# KiCad board RP2040-Breadstick Panel.kicad_pcb (continued)
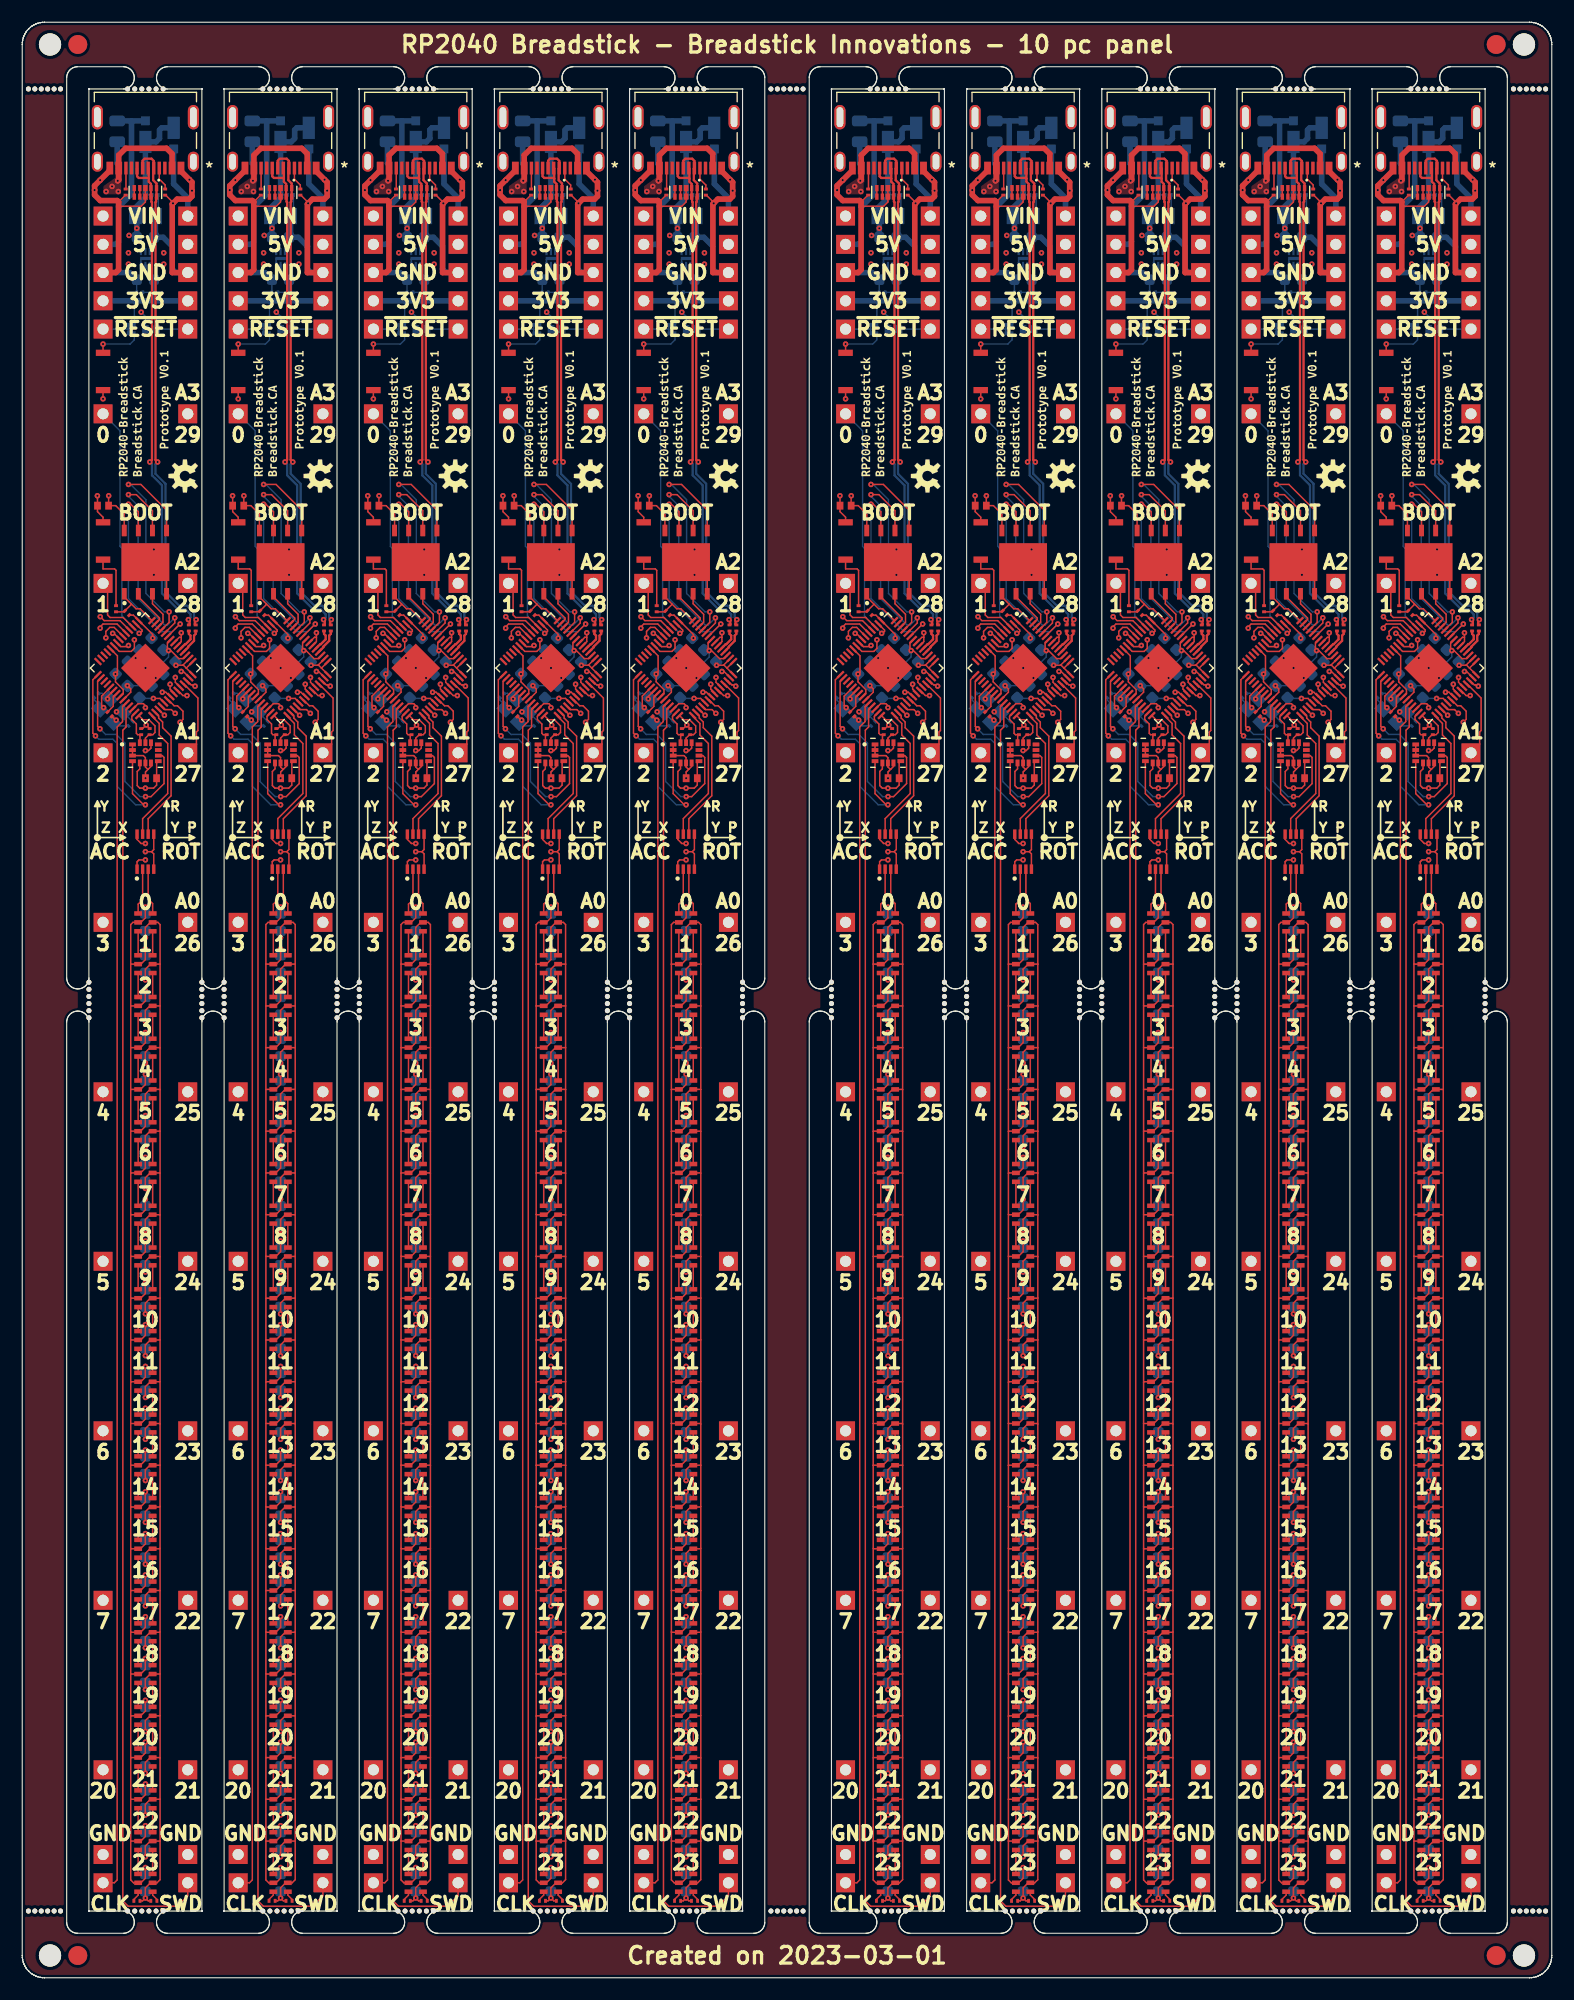
[diagram p0: board, top side]
## Routing (per net, layer and track width the routed paths; a pad name or vN(x,y) marks a point on that pad's centre or on a via; arc(x,y) is an arc through that point) (continued)
  L3_SIG.Cu w0.5: J508#7.1 J507#10.1
  L8_SIG.Cu w0.127: v1(32.71,117.23) 32.72,117.24 C210#6.1 ; v1(36.12,115.03) 34.92,115.03 C206.1 ; 34.38,150.78 34.41,150.76 R208#7.1 ; C211#5.1 38.14,118.28 v1(38.14,118.01) ; R502#9.2 36.16,151.54
  L8_SIG.Cu w0.15: 35.8,153.33 36.17,152.95 C503#5.1
  L8_SIG.Cu w0.203: U501#7.2 35.4,153.47 35.55,153.33 35.8,153.33 U501#7.1
  L8_SIG.Cu w0.5: 36.06,150.78 J507#10.1 ; 36.06,150.78 J508#7.1 ; 36.06,150.78 36.19,150.91 36.19,152.67
Board_2-+1V1: length 10.2
  L1_SIG.Cu w0.127: U201#8.23 34.08,115.59 34.08,115.88 v1(33.78,116.18) ; U201#8.45 38.8,118.61 38.41,118.61 37.69,119.33 v1(37.48,119.33) 37.38,119.44 37.38,120.02 U201#8.50
  L8_SIG.Cu w0.127: v1(37.48,119.33) 37.48,118.76 34.9,116.18 v1(33.78,116.18)
Board_2-/Addressable RGB LEDs/CLK: length 4.1
  L1_SIG.Cu w0.127: IC301#9.2 35.15,96.94 34.75,96.54 LED301#4.4
Board_2-/Addressable RGB LEDs/DATA: length 4.1
  L1_SIG.Cu w0.127: IC301#9.3 35.65,96.99 36.05,96.59 LED301#4.3
Board_2-/RP2040/ADC0: length 26.2
  L1_SIG.Cu w0.127: U201#8.38 38.09,116.48 v1(38.09,116.92)
  L3_SIG.Cu w0.127: J220#5.1 39.21,107.85 38.09,108.97 38.09,111.27 39.68,111.27 40.12,111.71 40.12,115.02 38.22,116.92 v1(38.09,116.92)
Board_2-/RP2040/ADC1: length 7.1
  L1_SIG.Cu w0.127: J219#6.1 39.99,110.92 39.99,112.01 40.12,112.15 40.12,115.07 38.87,116.32 U201#8.39
Board_2-/RP2040/ADC2: length 12.9
  L1_SIG.Cu w0.127: U201#8.40 39.16,116.6 39.51,116.25 39.62,116.25 39.74,116.13 v1(39.87,116.13)
  L3_SIG.Cu w0.127: v1(39.87,116.13) 39.87,118.91 37,121.78 37,124.11 38.27,125.38 J218#4.1
Board_2-/RP2040/ADC3: length 26.9
  L1_SIG.Cu w0.127: U201#8.41 38.82,117.46 v1(38.63,117.46)
  L3_SIG.Cu w0.127: v1(38.63,117.46) 38.98,117.81 38.98,118.62 35.98,121.62 35.98,124.45 37.51,125.98 37.51,128.07 39.21,129.77 J217#3.1
Board_2-/RP2040/D0: length 22.3
  L1_SIG.Cu w0.127: v1(34.84,120.88) 34.92,120.88 35.1,121.06 35.1,121.18 U201#8.2
  L8_SIG.Cu w0.127: v1(34.84,120.88) 33.29,122.43 33.29,128.53 33.11,128.71 33.11,139.1 J205#5.1
Board_2-/RP2040/D1: length 5.7
  L1_SIG.Cu w0.127: J206#7.1 32,124.97 32,122.54 32.22,122.31 33.4,122.31 U201#8.3
Board_2-/RP2040/D2: length 16.5
  L1_SIG.Cu w0.127: U201#8.4 33.11,122.03 31.69,122.03 v1(31.34,122.38)
  L3_SIG.Cu w0.127: v1(31.34,122.38) 30.7,121.74 30.7,113.26 31.03,112.93 31.46,112.93 31.86,112.53 31.86,111.43 31.59,111.16 J207#3.1
Board_2-/RP2040/D3: length 30.6
  L1_SIG.Cu w0.127: v1(31.33,121.35) 31.33,121.46 31.59,121.72 32.85,121.72 U201#8.5
  L3_SIG.Cu w0.127: v1(31.33,121.35) 31.31,121.33 31.31,114.94 31.13,114.76 31.13,114.03 32.72,112.44 32.72,108.93 31.59,107.8 J208#5.1
Board_2-/RP2040/D4: length 44.8
  L1_SIG.Cu w0.127: U201#8.6 32.59,121.42 32.2,121.42 31.84,121.06 v1(31.84,120.48)
  L3_SIG.Cu w0.127: J209#9.1 31.59,92.33 32.72,93.46 32.72,108.2 33.18,108.66 33.18,112.5 33.34,112.66 33.34,114.39 31.84,115.89 v1(31.84,120.48)
Board_2-/RP2040/D5: length 59
  L1_SIG.Cu w0.127: v1(32.45,120.88) 32.56,120.88 U201#8.7
  L3_SIG.Cu w0.127: v1(32.45,120.88) 32.45,117.89 32.2,117.63 32.2,116.98 33.71,115.47 33.71,112.25 33.64,112.18 33.64,108.31 33.31,107.98 33.31,92.85 32.73,92.27 32.73,78.22 31.59,77.08 J210#2.1
Board_2-/RP2040/D6: length 73.9
  L1_SIG.Cu w0.127: v1(33.88,119.79) 33.77,119.69 33.19,119.69 U201#8.8
  L3_SIG.Cu w0.127: v1(33.88,119.79) 33.52,119.79 33.24,119.51 33.24,117.72 34.3,116.66 34.3,114.03 34.11,113.84 34.11,112.07 34.05,112.01 34.05,108.08 33.9,107.93 33.9,92.21 33.38,91.69 33.38,63.31 31.59,61.52 J211#10.1
Board_2-/RP2040/D7: length 91.4
  L1_SIG.Cu w0.127: v1(34.41,120.3) 34.41,119.54 34.13,119.26 33.05,119.26 U201#8.9
  L3_SIG.Cu w0.127: v1(34.41,120.3) 34.41,119.33 34.01,118.93 34.01,118.17 35.07,117.11 35.07,114.79 34.73,114.45 34.73,113.42 34.5,113.19 34.5,107.8 34.38,107.68 34.38,91.44 34.14,91.2 34.14,62.09 32.92,60.87 32.92,44.1 31.59,42.77 J212#9.1
Board_2-/RP2040/D20: length 98.8
  L1_SIG.Cu w0.127: v1(37.11,113.52) 37.09,113.52 U201#8.31
  L3_SIG.Cu w0.127: v1(37.11,113.52) 35.59,113.52 34.91,112.84 34.91,61.15 34.17,60.41 34.17,32.49 31.59,29.91 J204#9.1
Board_2-/RP2040/D21: length 99.2
  L1_SIG.Cu w0.127: U201#8.32 37.15,114.03 37.74,114.03 38.07,113.69 v1(38.08,113.69)
  L3_SIG.Cu w0.127: v1(38.08,113.69) 37.88,113.49 37.88,113.17 37.71,113 36.91,113 35.91,112 35.91,61.15 36.66,60.4 36.66,32.39 39.21,29.84 J203#8.1
Board_2-/RP2040/D22: length 84.5
  L1_SIG.Cu w0.127: v1(38.52,112.89) 38.78,113.15 38.78,113.88 38.29,114.37 37.99,114.37 37.45,114.91 U201#8.34
  L3_SIG.Cu w0.127: v1(38.52,112.89) 38.24,112.61 37.17,112.61 36.38,111.82 36.38,107.82 36.46,107.74 36.46,91.48 36.69,91.25 36.69,62.28 37.91,61.06 37.91,44.18 39.15,42.94 39.15,34 J213#6.1
Board_2-/RP2040/D23: length 71.1
  L1_SIG.Cu w0.127: U201#8.35 37.63,115.19 37.23,115.59 v1(36.92,115.59)
  L3_SIG.Cu w0.127: v1(36.92,115.59) 37.24,115.59 39.04,113.79 39.04,112.48 38.8,112.24 37.38,112.24 36.84,111.7 36.84,108.08 36.98,107.94 36.98,92.01 37.43,91.56 37.43,63.31 39.21,61.53 J214#6.1
Board_2-/RP2040/D24: length 56.2
  L1_SIG.Cu w0.127: U201#8.36 37.97,115.52 37.62,115.87 v1(37.62,116.31)
  L3_SIG.Cu w0.127: v1(37.62,116.31) 37.62,115.87 39.41,114.08 39.41,112.19 39.13,111.92 37.58,111.92 37.26,111.6 37.26,108.31 37.52,108.05 37.52,92.71 38.08,92.15 38.08,78.12 39.21,76.99 J215#5.1
Board_2-/RP2040/D25: length 39.4
  L1_SIG.Cu w0.127: v1(39.14,115.29) 38.77,115.29 38.3,115.76 U201#8.37
  L3_SIG.Cu w0.127: v1(39.14,115.29) 39.76,114.67 39.76,111.95 39.44,111.63 37.86,111.63 37.67,111.44 37.67,108.69 38.09,108.27 38.09,93.35 39.21,92.23 J202.1
Board_2-/RP2040/MCU_QSPI_CSN: length 5.4
  L1_SIG.Cu w0.127: 34.12,123.54 34.56,123.09 34.92,123.09 U201#8.56 ; 34.12,123.54 34.12,123.47 R205#7.2 33.47,122.82 R204#5.2 ; 34.12,123.54 33.5,124.16 U203#8.1
Board_2-/RP2040/MCU_QSPI_SCLK: length 20.6
  L1_SIG.Cu w0.127: v1(38.04,122.28) 38.04,121.82 U201#8.52 ; U203#8.6 36.03,131.91 34.59,133.36 v1(33.88,133.36)
  L8_SIG.Cu w0.127: v1(38.04,122.28) 37.38,121.62 37.13,121.62 34.74,124.01 34.74,132.34 33.88,133.2 v1(33.88,133.36)
Board_2-/RP2040/MCU_QSPI_SD0: length 21.5
  L1_SIG.Cu w0.127: 37.3,130.13 37.3,131.96 34.99,134.27 v1(33.88,134.27) ; v1(37.53,122.81) 37.53,121.87 U201#8.53
  L8_SIG.Cu w0.127: v1(33.88,134.27) 34.08,134.27 35.45,132.9 35.45,124.47 37.1,122.81 v1(37.53,122.81)
Board_2-/RP2040/MCU_QSPI_SD1: length 3.6
  L1_SIG.Cu w0.127: U201#8.55 36.67,122.14 36.67,122.26 34.77,124.16 34.77,124.44
Board_2-/RP2040/MCU_QSPI_SD2: length 3.5
  L1_SIG.Cu w0.127: U203#8.3 36.03,123.55 36.98,122.6 36.98,121.89 U201#8.54
Board_2-/RP2040/MCU_QSPI_SD3: length 19.1
  L1_SIG.Cu w0.127: v1(33.88,132.49) 34.08,132.49 34.77,131.81 34.77,130.13 ; v1(38.52,121.72) 38.51,121.72 U201#8.51
  L8_SIG.Cu w0.127: v1(38.52,121.72) 37.84,121.04 36.85,121.04 33.88,124.01 v1(33.88,132.49)
Board_2-/RP2040/MCU_USB_D+: length 2.1
  L1_SIG.Cu w0.2: U201#8.47 38.96,119.91 39.02,119.91
  L1_SIG.Cu w0.203: 39.02,119.91 39.46,120.35 39.46,120.68 39.31,120.83 R203#9.1
Board_2-/RP2040/MCU_USB_D-: length 2.3
  L1_SIG.Cu w0.2: U201#8.46 39.25,119.63 39.25,119.68
  L1_SIG.Cu w0.203: 39.25,119.68 39.78,120.21 39.78,120.68 39.92,120.83 R202#8.1
Board_2-/RP2040/USB_D+: length 45.2
  L1_SIG.Cu w0.203: 35.7,161.77 35.64,161.83 34.8,161.83 34.65,161.98 J221#3.B6 ; 35.7,161.77 35.7,162.67 J221#3.A6 ; 35.7,161.77 35.7,161.49 35.9,161.29 U202#8.2 U202#8.9 35.94,160.11 35.94,159.7 35.99,159.64 35.99,136.48 v1(35.8,136.29) ; R203#9.2 39.38,121.71 39.38,122 v1(39.27,122.12)
  L8_SIG.Cu w0.203: v1(39.27,122.12) 39.46,122.31 39.46,122.6 39,123.05 38.31,123.05 36.89,124.47 36.89,134.19 35.99,135.09 35.99,136.1 v1(35.8,136.29)
Board_2-/RP2040/USB_D-: length 45.9
  L1_SIG.Cu w0.203: v1(39.97,122.12) 39.85,122 39.85,121.71 R202#8.2 ; J221#3.A7 35.15,163.38 35.33,163.56 35.95,163.56 36.15,163.36 J221#3.B7 36.1,162.67 36.1,161.63 36.4,161.33 U202#8.1 U202#8.10 36.36,160.11 36.36,159.7 36.31,159.64 36.31,136.48 v1(36.5,136.29)
  L8_SIG.Cu w0.203: v1(39.97,122.12) 39.78,122.31 39.78,122.73 39.14,123.37 38.45,123.37 37.21,124.61 37.21,134.33 36.31,135.23 36.31,136.1 v1(36.5,136.29)
Board_2-/RP2040/~{RESET}: length 49.9
  L1_SIG.Cu w0.127: U201#8.26 34.75,114.56 35.22,114.56 35.4,114.38 v1(35.4,114.2)
  L3_SIG.Cu w0.127: 34.77,148.24 34.77,121.77 35.45,121.09 35.45,118.52 36.03,117.94 36.03,117.49 35.63,117.09 35.63,114.43 v1(35.4,114.2)
  L3_SIG.Cu w0.5: J201#6.1 J222#6.1
  L8_SIG.Cu w0.127: C207#6.1 J201#6.1 ; 33.86,148.22 33.83,148.24 J222#6.1 ; 33.86,148.22 R211.2 ; 33.86,148.22 R208#7.2
Board_2-GND: length 241.1
  L1_SIG.Cu w0.127: 35.96,101.25 36.15,101.44 IC301#9.5 ; 35.96,101.25 v1(35.4,101.25) ; 35.96,101.25 36.15,101.06 IC301#9.4 ; U202#8.3 U202#8.8 35.4,159.67 35.02,159.29 32.99,159.29 ; 36.72,12.3 36.71,12.29 LED323#8.2 35.85,12.29 35.4,11.84 v1(35.4,10.88) ; 36.72,12.3 36.72,8.82 36.44,8.54 LED324#9.2 35.85,8.54 35.4,8.08 v1(35.4,7.17) ; 36.72,12.3 36.72,16.06 ; v1(35.4,7.17) 35.15,6.91 R304#10.2 ; v1(35.4,7.17) 35.65,6.91 R305#10.2 ; 36.72,38.61 36.72,34.8 ; 36.72,38.61 36.68,38.57 LED316#3.2 35.82,38.57 35.4,38.16 v1(35.4,37.19) ; 36.72,38.61 36.72,42.37 ; 36.72,34.8 36.72,31.1 ; 36.72,34.8 36.71,34.82 LED317#4.2 35.82,34.82 35.4,34.4 v1(35.4,33.43) ; 35.65,108.67 35.6,108.67 35.4,108.87 U401#3.6 35.4,109.71 35.22,109.89 U401#3.3 U401#3.2 U401#3.1 ; 35.65,108.67 35.41,108.42 v1(35.41,107.86) C401#9.2 ; 35.65,108.67 35.9,108.91 U401#3.7 ; 36.72,49.79 36.72,46.08 ; 36.72,49.79 36.72,53.6 ; 36.72,49.79 36.67,49.84 LED313#8.2 35.85,49.84 35.4,49.38 v1(35.4,48.42) ; 36.72,46.08 LED314#4.2 35.81,46.08 35.4,45.67 v1(35.4,44.71) ; 36.72,46.08 36.72,42.37 ; v1(37.88,159.55) 37.88,159.63 37.22,160.28 R207#9.2 ; 36.72,27.34 36.72,23.58 ; 36.72,27.34 36.72,31.1 ; 36.72,27.34 36.69,27.31 LED319#2.2 35.83,27.31 35.4,26.88 v1(35.4,25.91) ; 36.72,23.58 36.7,23.55 LED320#7.2 35.83,23.55 35.4,23.12 v1(35.4,22.15) ; 36.72,23.58 36.72,19.77 ; 37.3,124.44 37.3,127.29 v1(36.16,128.43) ; 36.72,16.06 36.71,16.04 LED322#6.2 35.84,16.04 35.4,15.6 v1(35.4,14.64) ; 36.72,16.06 36.72,19.77 ; v1(36.16,126.14) 36.16,126.52 U203#8.9 ; v1(35.4,89.72) 35.4,90.68 35.86,91.14 LED302#10.2 36.72,91.14 ; v1(35.4,78.49) 35.4,79.46 35.82,79.88 LED305#7.2 36.71,79.88 36.72,79.86 ; v1(35.4,59.7) 35.4,60.66 35.84,61.1 LED310#9.2 36.7,61.1 36.72,61.12 ; 36.72,53.6 36.71,53.59 LED312#5.2 35.85,53.59 35.4,53.14 v1(35.4,52.18) ; 36.72,53.6 36.72,57.36 ; 36.72,87.38 36.72,83.62 ; 36.72,87.38 36.72,91.14 ; 36.72,87.38 36.72,87.39 LED303#2.2 35.81,87.39 35.4,86.98 v1(35.4,86.01) ; 36.72,83.62 36.71,83.63 LED304#4.2 35.81,83.63 35.4,83.22 v1(35.4,82.25) ; 36.72,83.62 36.72,79.86 ; 36.72,91.14 36.72,94.7 36.52,94.9 LED301#4.2 35.85,94.9 35.4,94.44 v1(35.4,93.53) ; 36.72,76.1 36.7,76.12 LED306#8.2 35.82,76.12 35.4,75.7 v1(35.4,74.73) ; 36.72,76.1 36.72,79.86 ; 36.72,76.1 36.72,72.34 ; 36.72,64.83 36.72,61.12 ; 36.72,64.83 36.69,64.86 LED309#9.2 35.84,64.86 35.4,64.42 v1(35.4,63.45) ; 36.72,64.83 36.72,68.59 ; 36.72,61.12 36.72,57.36 ; 36.72,68.59 36.69,68.61 LED308.2 35.83,68.61 35.4,68.18 v1(35.4,67.21) ; 36.72,68.59 36.72,72.34 ; 36.72,19.77 36.69,19.8 LED321#4.2 35.84,19.8 35.4,19.36 v1(35.4,18.4) ; 36.72,31.1 36.69,31.06 LED318#6.2 35.83,31.06 35.4,30.64 v1(35.4,29.67) ; 36.72,42.37 36.68,42.33 LED315#7.2 35.81,42.33 35.4,41.92 v1(35.4,40.95) ; v1(31.64,114.2) 31.46,114.38 31.46,115.24 U201#8.19 ; v1(35.4,70.97) 35.4,71.94 35.83,72.37 LED307#2.2 36.7,72.37 36.72,72.34 ; 36.72,57.36 36.71,57.35 LED311#7.2 35.85,57.35 35.4,56.9 v1(35.4,55.94) ; R206#4.2 33.6,160.28 33,159.68 32.97,159.68 ; v1(31.08,133.25) 31.09,133.25 C216#10.2 31.09,131.82 31.59,131.32 SW201#5.1 ; SW202#2.1 v1(31.59,141.97)
  L1_SIG.Cu w0.5: J221#3.A1/B12 38.6,162.44 v1(39.36,161.68) 39.59,161.45 v1(39.59,160.69) 39.59,160.18 39.34,159.92 38.26,159.92 v1(37.88,159.55) 37.81,159.48 37.81,153.32 J506#4.1 ; J505#3.1 32.73,153.32 32.99,153.57 32.99,159.67 32.86,159.8 31.34,159.8 30.83,160.31 v1(30.83,160.74) 30.83,161.13 v1(31.33,161.63) 32.2,162.5 J221#3.B1/A12
  L3_SIG.Cu w0.5: J505#3.1 J506#4.1
  L8_SIG.Cu w0.127: v1(35.4,82.25) C306#9.2 ; v1(35.4,22.15) C322#3.2 ; v1(35.4,40.95) C317#3.2 ; U501#7.7 35.07,154.59 35,154.52 U501#7.3 ; v1(35.02,149.76) 35.41,149.38 C207#6.2 ; C309#9.2 35.4,71.58 v1(35.4,70.97) ; v1(35.4,86.01) C305#2.2 ; v1(35.4,18.4) C323#5.2 ; C201#7.2 30.81,114.88 31.29,114.41 ; v1(35.4,93.53) 35.4,94.13 ; C501#2.2 36.56,158.66 R501#9.1 ; v1(35.4,10.88) C325#9.2 ; v1(35.4,67.21) C310#9.2 ; v1(35.4,89.72) C304.2 ; v1(35.4,52.18) C314#3.2 ; v1(35.4,78.49) C307#2.2 ; C203#7.2 34.24,112.95 33.41,113.78 Y201#9.2 ; R502#9.1 34.62,152.68 34.62,152.69 ; v1(35.4,74.73) 35.4,75.34 C308#6.2 ; v1(35.4,14.64) C324#3.2 ; v1(35.4,63.45) C311#9.2 ; v1(35.4,44.71) C316#4.2 ; v1(35.4,29.67) C320#8.2 ; v1(35.4,55.94) C313#9.2 ; v1(35.4,33.43) C319#3.2 ; v1(35.4,37.19) C318#7.2 ; v1(35.4,7.17) C326#6.2 ; v1(35.4,59.7) C312#9.2 ; v1(35.4,48.42) C315#7.2 ; v1(35.4,25.91) C321#7.2
  L8_SIG.Cu w0.203: 34.62,152.69 35,153.06 U501#7.3
  L8_SIG.Cu w0.5: 34.62,152.69 34.61,152.69 33.98,153.32 J505#3.1 ; C501#2.2 36.3,156.62 C502#6.2 37,156.5 37.81,155.68 37.81,153.62 38.12,153.32 J506#4.1
  vias: v1(32.8,113.83) v1(34.52,118.66) v1(35.41,117.77) v1(36.33,116.87)
Board_2-IMU_INT1: length 19.6
  L1_SIG.Cu w0.127: v1(35.4,105.47) 35.24,105.47 34.24,106.47 U401#3.4 ; v1(30.91,111.66) 30.67,111.9 30.67,116.71 U201#8.15
  L8_SIG.Cu w0.127: v1(30.91,111.66) 31.21,111.36 32.48,111.36 32.88,110.96 32.88,107.11 34.52,105.47 v1(35.4,105.47)
Board_2-IMU_INT2: length 18.5
  L1_SIG.Cu w0.127: U401#3.9 36.91,109.89 37.08,109.72 37.08,107.37 35.91,106.2 v1(35.41,106.2) ; U201#8.16 31.1,116.57 31.1,112.51 v1(31.31,112.3)
  L8_SIG.Cu w0.127: v1(35.41,106.2) 34.92,106.2 33.56,107.56 33.56,111.01 32.78,111.79 31.82,111.79 v1(31.31,112.3)
Board_2-IMU_SCL: length 3.9
  L1_SIG.Cu w0.127: U201#8.28 35.18,113.12 35.71,113.12 36.26,112.56 36.26,111.97 36.06,111.77 R210#7.1 35.71,111.77 35.4,111.46 U401#3.13
Board_2-IMU_SDA: length 3.4
  L1_SIG.Cu w0.127: U201#8.27 34.18,113.43 34.18,113.14 34.59,112.73 34.59,111.89 34.71,111.77 R209#5.1 34.91,111.66 34.91,111.06 U401#3.14
Board_2-LED_CLK: length 12.2
  L1_SIG.Cu w0.127: IC301#9.7 35.15,104.23 37.41,106.48 37.41,110.98 36.64,111.74 36.64,112.78 35.99,113.44 U201#8.29
Board_2-LED_DATA: length 12.4
  L1_SIG.Cu w0.127: IC301#9.6 35.65,104.22 37.71,106.28 37.71,111.64 36.95,112.4 36.95,112.91 36.59,113.26 36.59,113.45 U201#8.30
Board_2-Net-(C201-Pad1): length 2
  L1_SIG.Cu w0.127: U201#8.20 32,115.2 v1(32,114.99)
  L8_SIG.Cu w0.127: v1(32,114.99) 31.5,115.49 C201#7.1
Board_2-Net-(C203-Pad1): length 2.1
  L1_SIG.Cu w0.127: R201#3.1 32.71,113.08 v1(32.77,113.08)
  L8_SIG.Cu w0.127: C203#7.1 32.77,112.56 Y201#9.3
Board_2-Net-(J221-PadA5): length 2.1
  L1_SIG.Cu w0.127: R207#9.1 37.18,161.19 36.65,161.72 J221#3.A5
Board_2-Net-(J221-PadB5): length 1.9
  L1_SIG.Cu w0.127: J221#3.B5 33.65,160.86 R206#4.1
Board_2-Net-(LED301-Pad1): length 2.2
  L1_SIG.Cu w0.127: LED301#4.1 LED302#10.3
Board_2-Net-(LED301-Pad6): length 2.2
  L1_SIG.Cu w0.127: LED301#4.6 LED302#10.4
Board_2-Net-(LED302-Pad1): length 2.2
  L1_SIG.Cu w0.127: LED302#10.1 LED303#2.3
Board_2-Net-(LED302-Pad6): length 2.2
  L1_SIG.Cu w0.127: LED302#10.6 LED303#2.4
Board_2-Net-(LED303-Pad1): length 2.2
  L1_SIG.Cu w0.127: LED303#2.1 LED304#4.3
Board_2-Net-(LED303-Pad6): length 2.2
  L1_SIG.Cu w0.127: LED303#2.6 LED304#4.4
Board_2-Net-(LED304-Pad1): length 2.2
  L1_SIG.Cu w0.127: LED304#4.1 LED305#7.3
Board_2-Net-(LED304-Pad6): length 2.2
  L1_SIG.Cu w0.127: LED304#4.6 LED305#7.4
Board_2-Net-(LED305-Pad1): length 2.2
  L1_SIG.Cu w0.127: LED305#7.1 LED306#8.3
Board_2-Net-(LED305-Pad6): length 2.2
  L1_SIG.Cu w0.127: LED305#7.6 LED306#8.4
Board_2-Net-(LED306-Pad1): length 2.2
  L1_SIG.Cu w0.127: LED306#8.1 LED307#2.3
Board_2-Net-(LED306-Pad6): length 2.2
  L1_SIG.Cu w0.127: LED306#8.6 LED307#2.4
Board_2-Net-(LED307-Pad1): length 2.2
  L1_SIG.Cu w0.127: LED307#2.1 LED308.3
Board_2-Net-(LED307-Pad6): length 2.2
  L1_SIG.Cu w0.127: LED307#2.6 LED308.4
Board_2-Net-(LED308-Pad1): length 2.2
  L1_SIG.Cu w0.127: LED308.1 LED309#9.3
Board_2-Net-(LED308-Pad6): length 2.2
  L1_SIG.Cu w0.127: LED308.6 LED309#9.4
Board_2-Net-(LED309-Pad1): length 2.2
  L1_SIG.Cu w0.127: LED309#9.1 LED310#9.3
Board_2-Net-(LED309-Pad6): length 2.2
  L1_SIG.Cu w0.127: LED309#9.6 LED310#9.4
Board_2-Net-(LED310-Pad1): length 2.2
  L1_SIG.Cu w0.127: LED310#9.1 LED311#7.3
Board_2-Net-(LED310-Pad6): length 2.2
  L1_SIG.Cu w0.127: LED310#9.6 LED311#7.4
Board_2-Net-(LED311-Pad1): length 2.2
  L1_SIG.Cu w0.127: LED311#7.1 LED312#5.3
Board_2-Net-(LED311-Pad6): length 2.2
  L1_SIG.Cu w0.127: LED311#7.6 LED312#5.4
Board_2-Net-(LED312-Pad1): length 2.2
  L1_SIG.Cu w0.127: LED312#5.1 LED313#8.3
Board_2-Net-(LED312-Pad6): length 2.2
  L1_SIG.Cu w0.127: LED312#5.6 LED313#8.4
Board_2-Net-(LED313-Pad1): length 2.2
  L1_SIG.Cu w0.127: LED313#8.1 LED314#4.3
Board_2-Net-(LED313-Pad6): length 2.2
  L1_SIG.Cu w0.127: LED313#8.6 LED314#4.4
Board_2-Net-(LED314-Pad1): length 2.2
  L1_SIG.Cu w0.127: LED314#4.1 LED315#7.3
Board_2-Net-(LED314-Pad6): length 2.2
  L1_SIG.Cu w0.127: LED314#4.6 LED315#7.4
Board_2-Net-(LED315-Pad1): length 2.2
  L1_SIG.Cu w0.127: LED315#7.1 LED316#3.3
Board_2-Net-(LED315-Pad6): length 2.2
  L1_SIG.Cu w0.127: LED315#7.6 LED316#3.4
Board_2-Net-(LED316-Pad1): length 2.2
  L1_SIG.Cu w0.127: LED316#3.1 LED317#4.3
Board_2-Net-(LED316-Pad6): length 2.2
  L1_SIG.Cu w0.127: LED316#3.6 LED317#4.4
Board_2-Net-(LED317-Pad1): length 2.2
  L1_SIG.Cu w0.127: LED317#4.1 LED318#6.3
Board_2-Net-(LED317-Pad6): length 2.2
  L1_SIG.Cu w0.127: LED317#4.6 LED318#6.4
Board_2-Net-(LED318-Pad1): length 2.2
  L1_SIG.Cu w0.127: LED318#6.1 LED319#2.3
Board_2-Net-(LED318-Pad6): length 2.2
  L1_SIG.Cu w0.127: LED318#6.6 LED319#2.4
Board_2-Net-(LED319-Pad1): length 2.2
  L1_SIG.Cu w0.127: LED319#2.1 LED320#7.3
Board_2-Net-(LED319-Pad6): length 2.2
  L1_SIG.Cu w0.127: LED319#2.6 LED320#7.4
Board_2-Net-(LED320-Pad1): length 2.2
  L1_SIG.Cu w0.127: LED320#7.1 LED321#4.3
Board_2-Net-(LED320-Pad6): length 2.2
  L1_SIG.Cu w0.127: LED320#7.6 LED321#4.4
Board_2-Net-(LED321-Pad1): length 2.2
  L1_SIG.Cu w0.127: LED321#4.1 LED322#6.3
Board_2-Net-(LED321-Pad6): length 2.2
  L1_SIG.Cu w0.127: LED321#4.6 LED322#6.4
Board_2-Net-(LED322-Pad1): length 2.2
  L1_SIG.Cu w0.127: LED322#6.1 LED323#8.3
Board_2-Net-(LED322-Pad6): length 2.2
  L1_SIG.Cu w0.127: LED322#6.6 LED323#8.4
Board_2-Net-(LED323-Pad1): length 2.2
  L1_SIG.Cu w0.127: LED323#8.1 LED324#9.3
Board_2-Net-(LED323-Pad6): length 2.2
  L1_SIG.Cu w0.127: LED323#8.6 LED324#9.4
Board_2-Net-(LED324-Pad1): length 1
  L1_SIG.Cu w0.127: R305#10.1 36.44,7.05 36.05,7.43 LED324#9.1
Board_2-Net-(LED324-Pad6): length 1
  L1_SIG.Cu w0.127: LED324#9.6 34.75,7.43 34.36,7.05 R304#10.1
Board_2-Net-(R201-Pad2): length 2
  L1_SIG.Cu w0.127: U201#8.21 32.5,115.15 32.5,114.32 R201#3.2
Board_2-Net-(R204-Pad1): length 5.2
  L1_SIG.Cu w0.127: R204#5.1 32.76,126.55 32.63,126.68 31.59,126.68 SW201#5.2
Board_2-Net-(R211-Pad1): length 4.3
  L1_SIG.Cu w0.127: SW202#2.2 v1(31.59,146.89)
  L8_SIG.Cu w0.127: R211.1 34.41,147.27 34.03,146.89 v1(31.59,146.89)
Board_2-Net-(U202-Pad4): length 0.8
  L1_SIG.Cu w0.127: U202#8.4 U202#8.7
Board_2-Net-(U202-Pad5): length 0.8
  L1_SIG.Cu w0.127: U202#8.5 U202#8.6
Board_2-SWCLK: length 107.5
  L1_SIG.Cu w0.127: U201#8.24 33.34,114.29 33.34,112.95 32.86,112.46 32.86,8.79 32.61,8.54 J223.1
Board_2-SWD: length 115.3
  L1_SIG.Cu w0.127: J224#8.1 39.21,7.37 38.27,6.43 33.85,6.43 33.37,6.91 33.37,112.17 33.66,112.46 33.66,114.04 U201#8.25
Board_2-VBUS: length 12.5
  L1_SIG.Cu w0.5: J221#3.A4/B9 37.8,164 37.3,164.5 33.62,164.5 33,163.87 J221#3.B4/A9 33,161.66 v1(32.91,161.58)
  L8_SIG.Cu w0.5: v1(32.91,161.58) 32.99,161.65 32.99,163 32.86,163.12 F501#5.1
  vias: v1(31.87,160.61) v1(32.4,161.07) v1(32.96,160.61)
Board_2-VHI: length 174.3
  L1_SIG.Cu w0.127: 34.08,23.53 34.11,23.55 LED320#7.5 34.97,23.55 35.4,23.98 v1(35.4,24.95) ; 34.08,23.53 34.08,27.34 ; 34.08,23.53 34.08,19.77 ; v1(35.4,39.93) 35.4,39.02 34.95,38.57 LED316#3.5 34.12,38.57 34.08,38.61 ; v1(35.4,84.99) 35.4,84.08 34.95,83.63 LED304#4.5 34.09,83.63 34.08,83.62 ; 34.08,79.86 34.09,79.88 LED305#7.5 34.96,79.88 35.4,80.32 v1(35.4,81.23) ; 34.08,79.86 34.08,83.62 ; 34.08,79.86 34.08,76.1 ; 34.08,31.1 34.08,27.34 ; 34.08,31.1 34.11,31.06 LED318#6.5 34.96,31.06 35.4,31.5 v1(35.4,32.47) ; 34.08,31.1 34.08,34.8 ; 34.08,27.34 34.11,27.31 LED319#2.5 34.97,27.31 35.4,27.74 v1(35.4,28.71) ; v1(35.4,43.69) 35.4,42.78 34.95,42.33 LED315#7.5 34.12,42.33 34.08,42.37 ; 34.08,19.77 34.08,16.06 ; 34.08,19.77 34.11,19.8 LED321#4.5 34.98,19.8 35.4,20.22 v1(35.4,21.19) ; 34.08,16.06 34.09,16.04 LED322#6.5 34.98,16.04 35.4,16.46 v1(35.4,17.43) ; 34.08,16.06 34.08,12.3 ; 34.08,38.61 34.08,42.37 ; 34.08,38.61 34.08,34.8 ; 34.08,83.62 34.08,87.38 ; v1(35.4,62.49) 35.4,61.52 34.98,61.1 LED310#9.5 34.11,61.1 34.08,61.07 ; 34.08,91.14 34.08,87.38 ; 34.08,91.14 34.08,94.7 34.28,94.9 LED301#4.5 34.99,94.9 35.4,95.31 v1(35.4,96.27) ; 34.08,91.14 LED302#10.5 34.99,91.14 35.4,91.55 v1(35.4,92.51) ; 34.08,87.38 34.08,87.39 LED303#2.5 34.95,87.39 35.4,87.84 v1(35.4,88.75) ; 34.08,61.07 34.08,57.36 ; 34.08,61.07 34.08,64.88 ; 34.08,57.36 34.08,53.55 ; 34.08,57.36 34.09,57.35 LED311#7.5 34.98,57.35 35.4,57.77 v1(35.4,58.73) ; 34.08,68.64 34.1,68.61 LED308.5 34.97,68.61 35.4,69.04 v1(35.4,70.01) ; 34.08,68.64 34.08,72.34 ; 34.08,68.64 34.08,64.88 ; 34.08,12.3 34.08,8.79 34.34,8.54 LED324#9.5 34.99,8.54 35.4,8.95 v1(35.4,9.91) ; 34.08,12.3 34.09,12.29 LED323#8.5 34.98,12.29 35.4,12.71 v1(35.4,13.67) ; v1(35.4,100.51) 34.82,100.51 34.65,100.35 IC301#9.1 ; 34.08,53.55 34.12,53.59 LED312#5.5 34.99,53.59 35.4,54.01 v1(35.4,54.97) ; 34.08,53.55 34.08,49.84 ; 34.08,42.37 34.08,46.08 ; v1(35.4,66.25) 35.4,65.28 34.97,64.86 LED309#9.5 34.1,64.86 34.08,64.88 ; 34.08,46.08 LED314#4.5 34.94,46.08 35.4,46.54 v1(35.4,47.45) ; 34.08,46.08 34.08,49.84 ; v1(35.4,73.77) 35.4,72.8 34.96,72.37 LED307#2.5 34.1,72.37 34.08,72.34 ; 34.08,72.34 34.08,76.1 ; v1(35.4,77.53) 35.4,76.56 34.96,76.12 LED306#8.5 34.1,76.12 34.08,76.1 ; 34.08,49.84 34.08,49.84 LED313#8.5 34.99,49.84 35.4,50.25 v1(35.4,51.21) ; 34.08,34.8 34.09,34.82 LED317#4.5 34.96,34.82 35.4,35.26 v1(35.4,36.23)
  L8_SIG.Cu w0.127: v1(35.4,28.71) C321#7.1 ; v1(35.4,77.53) 35.4,76.92 C308#6.1 ; v1(35.4,88.75) C305#2.1 ; v1(35.4,54.97) C314#3.1 ; v1(35.4,9.91) C326#6.1 ; v1(35.4,70.01) C310#9.1 ; C309#9.1 35.4,73.16 v1(35.4,73.77) ; v1(35.4,32.47) C320#8.1 ; v1(35.4,62.49) C312#9.1 ; v1(35.4,58.73) C313#9.1 ; v1(35.4,96.27) C303#6.1 ; v1(35.4,84.99) C306#9.1 ; v1(35.4,17.43) C324#3.1 ; v1(35.4,21.19) C323#5.1 ; v1(35.4,51.21) C315#7.1 ; R501#9.2 35.53,160.31 35.4,160.43 ; v1(35.4,13.67) C325#9.1 ; v1(35.4,66.25) C311#9.1 ; v1(35.4,36.23) C319#3.1 ; v1(35.4,47.45) C316#4.1 ; v1(35.4,81.23) C307#2.1 ; v1(35.4,39.93) C318#7.1 ; v1(35.4,92.51) C304.1 ; v1(35.4,24.95) C322#3.1 ; v1(35.4,43.69) C317#3.1
  L8_SIG.Cu w0.5: D501#8.1 36.86,166.34 36.67,166.15 36.67,165.39 36.36,165.07 D502#10.1 35.4,160.05 34.5,159.15 C501#2.1 34.62,158.28 v1(34.62,157.31) 34.62,156.5
  vias: v1(33.93,156.66) v1(33.88,155.1) v1(33.88,154.08) v1(37.05,155.1) v1(37.05,154.08)
Board_2-VIN: length 14.2
  L3_SIG.Cu w0.5: J502#10.1 J501#4.1
  L8_SIG.Cu w0.5: J501#4.1 39.21,160.03 37.94,161.3 D501#8.2
Board_3-3V3_LDO: length 53.3
  L1_SIG.Cu w0.127: U401#4.8 48.57,109.24 C401#4.1 48.57,107.24 48.3,106.97 v1(47.56,106.97) 47.05,106.97 46.82,107.19 46.82,108.46 47.06,108.7 U401#4.5 ; 50.79,120.53 50.61,120.53 U201#2.49 ; 50.79,120.53 50.79,120.14 U201#2.48 ; 50.79,120.53 v1(50.79,120.94) ; U401#4.12 48.06,110.56 47.84,110.34 v1(47.56,110.34) ; R205#8.1 46.48,122.52 U201#2.1 48.22,120.78 v1(48.22,120.45) ; 51.24,117.76 50.98,118.01 50.93,118.01 ; 51.24,117.76 51.24,117.76 U201#2.43 ; 51.24,117.76 U201#2.42 ; U203#2.8 45.66,131.6 44.89,132.37 C216#7.1 44.25,133.25 v1(44.26,133.25) ; U201#2.10 45.05,118.86 45.05,117.4 v1(44.87,117.23) 44.87,116.52 45.57,115.82 45.57,115.49 U201#2.22 ; R210#8.2 47.94,112.33 v1(47.63,112.64) 47.31,112.32 R209#7.2 ; v1(47.56,101.99) 47.18,101.99 46.81,102.36 IC301#6.8 ; v1(48.28,115.03) 48.88,115.03 U201#2.33 ; 50.93,118.01 U201#2.44 ; 50.93,118.01 v1(50.3,118.01)
  L3_SIG.Cu w0.5: J508#4.1 J507.1
  L8_SIG.Cu w0.127: v1(44.87,117.23) 44.88,117.24 C210#2.1 ; v1(48.28,115.03) 47.08,115.03 C206#7.1 ; 46.54,150.78 46.56,150.76 46.56,148.62 ; C211#4.1 50.3,118.28 v1(50.3,118.01) ; R502#8.2 48.32,151.54
  L8_SIG.Cu w0.15: 47.96,153.33 48.34,152.95 C503#4.1
  L8_SIG.Cu w0.203: U501#8.2 47.56,153.47 47.71,153.33 47.96,153.33 U501#8.1
  L8_SIG.Cu w0.5: 48.22,150.78 J507.1 ; 48.22,150.78 J508#4.1 ; 48.22,150.78 48.35,150.91 48.35,152.67
